# KiCad board architeuthis_dux_right.kicad_pcb (continued)
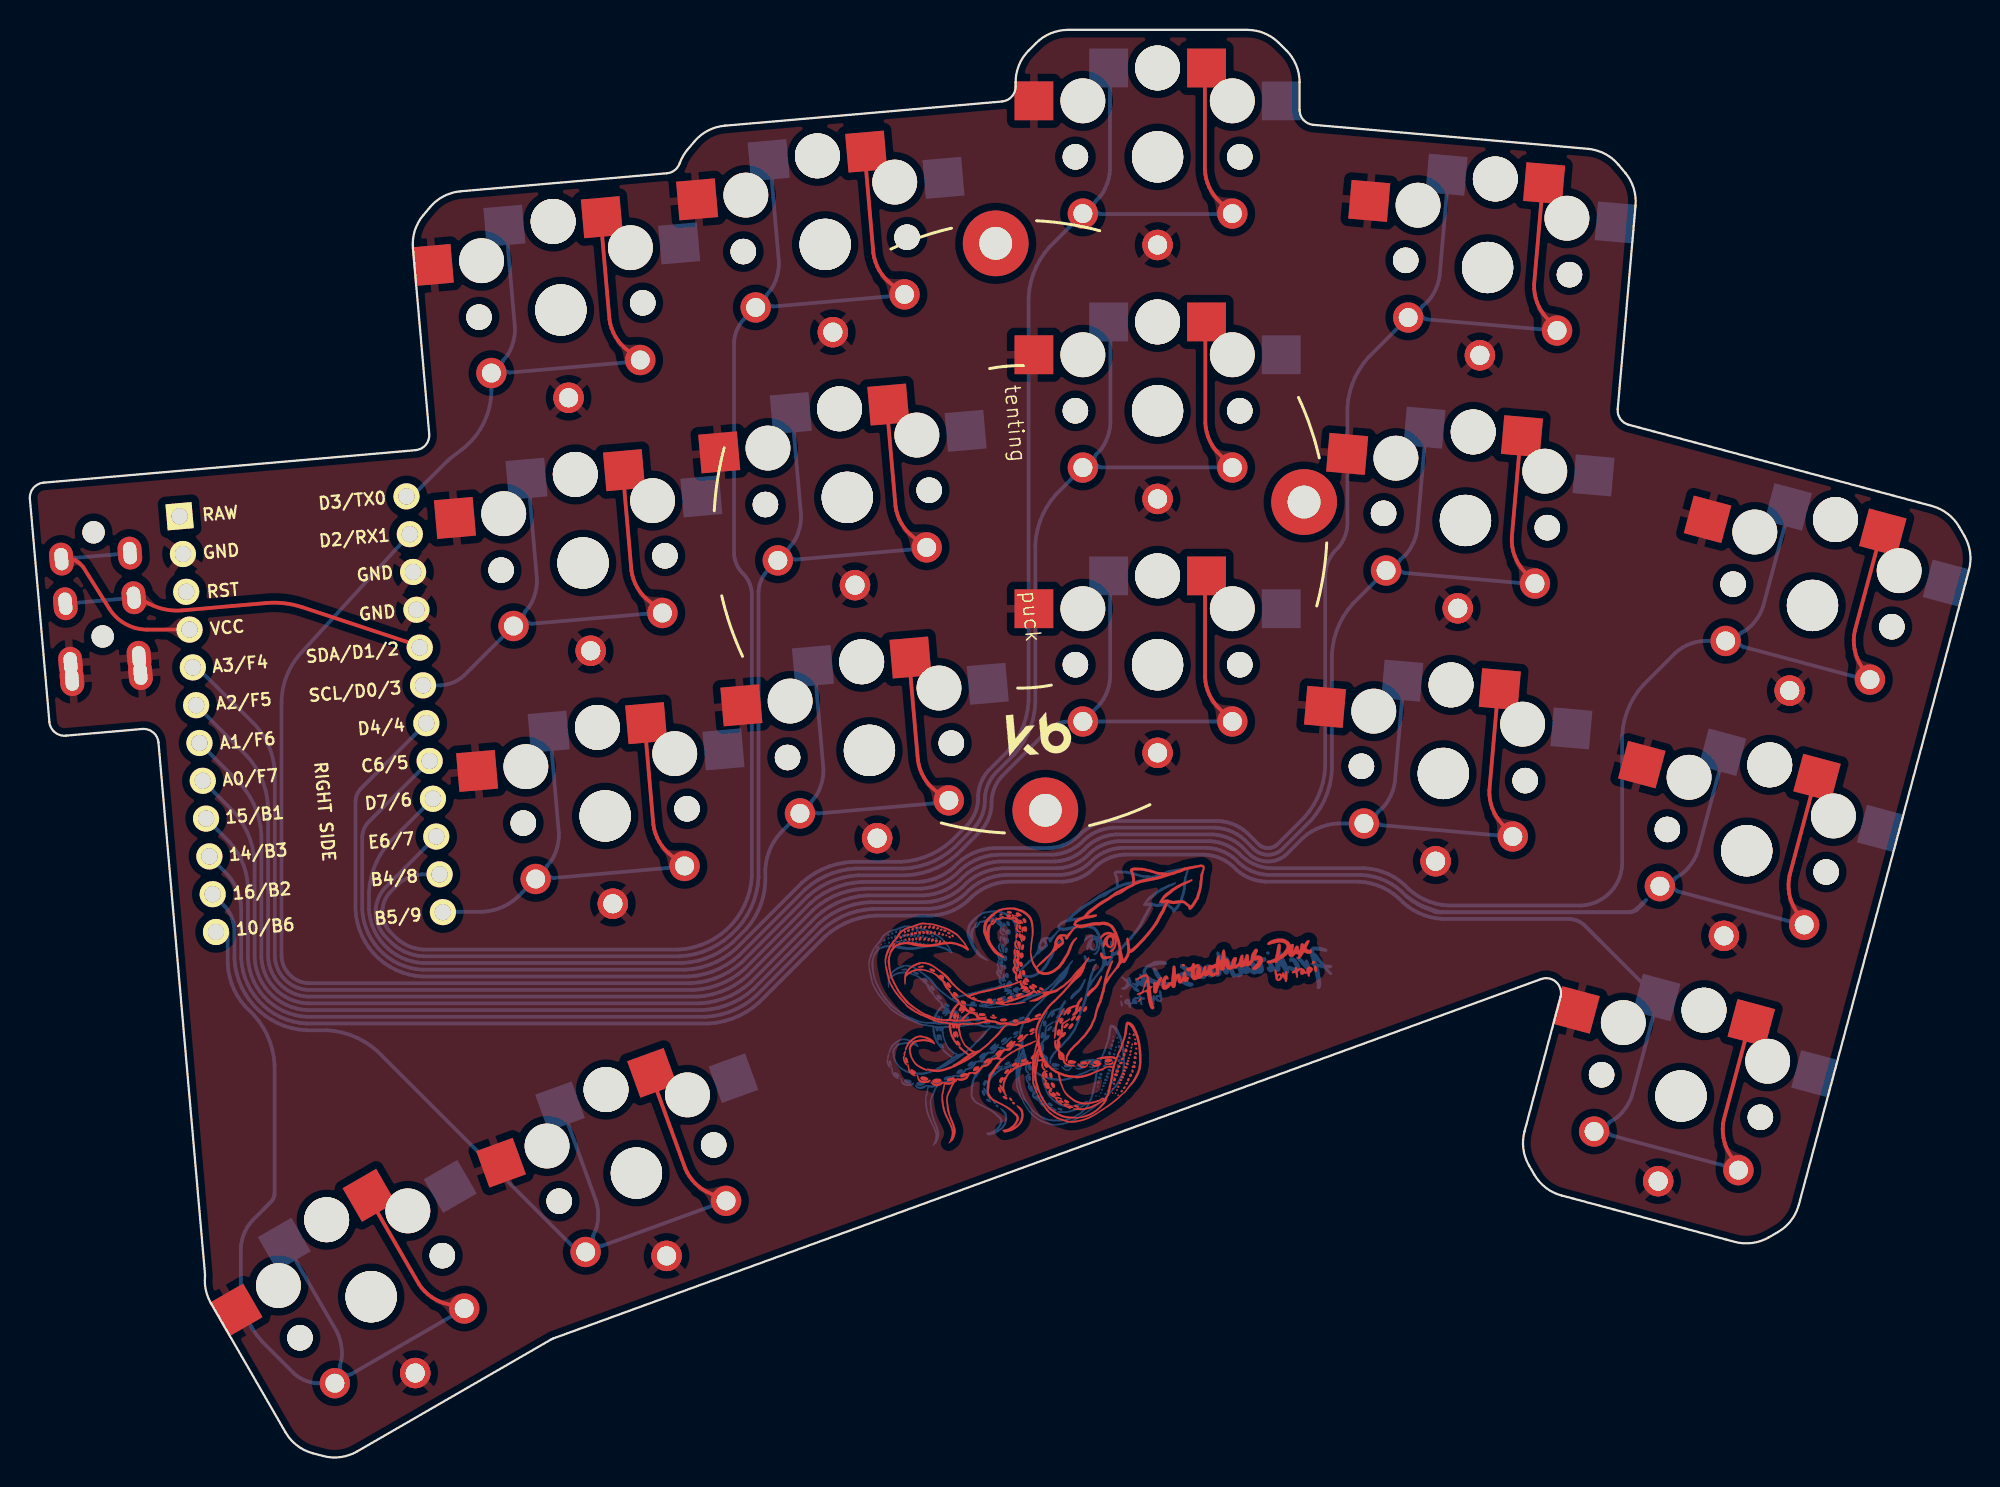
[diagram p0: board, top side]
## Copper pours and planes (outline as drawn; the poured copper is in the pictures) (continued)
P10 on Bottom: 35.24,40.14 35.09,39.95 35,39.78 34.94,39.62 34.91,39.47 34.9,39.32 34.9,39.17 34.9,39.01 34.89,38.84 34.87,38.65 34.83,38.44 33.51,38.32 33.45,39.64 33.65,39.71 33.83,39.76 34,39.79 34.15,39.81 34.3,39.83 34.44,39.87 34.59,39.92 34.73,40.01 34.88,40.13 35.04,40.3
P10 on Bottom: 35.87,38.72 35.63,38.69 35.43,38.63 35.28,38.56 35.14,38.48 35.03,38.38 34.92,38.27 34.8,38.16 34.68,38.05 34.52,37.93 34.34,37.81 33.34,38.68 34.24,39.64 34.43,39.55 34.6,39.45 34.74,39.35 34.86,39.25 34.98,39.16 35.11,39.09 35.25,39.02 35.41,38.98 35.61,38.96 35.85,38.97
P10 on Bottom: 41.77,39.49 42.01,39.52 42.2,39.57 42.35,39.64 42.48,39.73 42.6,39.83 42.7,39.94 42.81,40.05 42.94,40.18 43.08,40.3 43.26,40.43 44.31,39.64 43.48,38.61 43.27,38.7 43.1,38.78 42.95,38.88 42.82,38.97 42.69,39.05 42.56,39.13 42.41,39.19 42.24,39.23 42.04,39.25 41.79,39.24
P14 on Top: 58.53,62.25 58.72,62.11 58.89,62.02 59.05,61.96 59.2,61.93 59.34,61.92 59.49,61.93 59.65,61.94 59.82,61.94 60.01,61.93 60.22,61.9 60.41,60.59 59.1,60.45 59.02,60.65 58.96,60.83 58.92,61 58.89,61.15 58.86,61.3 58.82,61.45 58.76,61.59 58.67,61.74 58.55,61.89 58.37,62.06
P14 on Bottom: 25.87,40.4 26.01,40.55 26.11,40.69 26.17,40.82 26.21,40.95 26.24,41.08 26.25,41.21 26.26,41.34 26.28,41.49 26.31,41.65 26.37,41.83 27.5,41.85 27.48,40.72 27.3,40.66 27.14,40.63 26.99,40.61 26.86,40.6 26.73,40.59 26.6,40.56 26.47,40.52 26.34,40.46 26.2,40.36 26.05,40.22
P14 on Bottom: 48.63,58.53 48.65,58.74 48.68,58.92 48.72,59.06 48.77,59.19 48.83,59.31 48.89,59.43 48.95,59.55 48.99,59.68 49.02,59.84 49.03,60.03 50.41,60.39 50.38,59.07 50.18,59.02 49.97,59 49.77,59 49.57,59.01 49.38,59.01 49.22,59 49.08,58.95 48.98,58.87 48.91,58.73 48.88,58.53
P14 on Bottom: 51.44,61.45 51.3,61.26 51.2,61.09 51.14,60.93 51.11,60.78 51.1,60.63 51.1,60.48 51.1,60.32 51.1,60.15 51.07,59.97 51.03,59.76 49.71,59.65 49.66,60.97 49.86,61.04 50.04,61.08 50.21,61.11 50.36,61.13 50.51,61.15 50.65,61.19 50.79,61.24 50.94,61.32 51.09,61.44 51.25,61.61
P14 on Bottom: 52.07,60.03 51.83,60 51.64,59.95 51.48,59.87 51.34,59.79 51.23,59.69 51.12,59.59 51,59.48 50.87,59.36 50.72,59.25 50.53,59.13 49.54,60.01 50.46,60.96 50.65,60.87 50.81,60.77 50.95,60.66 51.07,60.57 51.19,60.48 51.32,60.4 51.46,60.34 51.62,60.29 51.81,60.27 52.05,60.28
P14 on Bottom: 57.97,60.8 58.21,60.83 58.4,60.89 58.56,60.96 58.69,61.04 58.8,61.14 58.9,61.25 59.01,61.37 59.13,61.49 59.28,61.62 59.45,61.75 60.51,60.97 59.69,59.94 59.49,60.02 59.31,60.1 59.16,60.19 59.03,60.28 58.9,60.37 58.76,60.44 58.62,60.5 58.45,60.54 58.24,60.56 58,60.55
P15 on Top: 60.03,45.26 60.21,45.12 60.37,45.03 60.52,44.98 60.67,44.96 60.81,44.96 60.96,44.97 61.11,44.98 61.27,44.99 61.46,44.99 61.66,44.97 61.91,43.67 60.6,43.47 60.51,43.67 60.45,43.85 60.41,44.01 60.35,44.31 60.31,44.46 60.25,44.6 60.17,44.75 60.04,44.9 59.87,45.06
P15 on Bottom: 50.01,41.75 50.17,41.93 50.28,42.09 50.36,42.25 50.4,42.4 50.43,42.55 50.44,42.7 50.46,42.86 50.47,43.03 50.51,43.22 50.57,43.43 51.89,43.45 51.86,42.13 51.65,42.07 51.47,42.04 51.29,42.02 51.13,42.01 50.98,41.99 50.83,41.97 50.69,41.92 50.53,41.85 50.37,41.73 50.19,41.57
P15 on Bottom: 25.65,42.93 25.79,43.08 25.89,43.22 25.95,43.35 25.99,43.48 26.02,43.61 26.03,43.74 26.04,43.87 26.06,44.02 26.09,44.18 26.14,44.36 27.28,44.38 27.26,43.25 27.08,43.19 26.92,43.16 26.77,43.14 26.64,43.13 26.51,43.12 26.38,43.09 26.25,43.05 26.12,42.99 25.98,42.89 25.83,42.75
P15 on Bottom: 52.94,44.46 52.79,44.27 52.7,44.1 52.64,43.94 52.61,43.79 52.6,43.64 52.59,43.33 52.58,43.16 52.55,42.98 52.49,42.77 51.17,42.73 51.19,44.05 51.39,44.11 51.57,44.14 51.73,44.16 51.88,44.17 52.03,44.19 52.17,44.22 52.31,44.26 52.45,44.34 52.59,44.46 52.75,44.62
P15 on Bottom: 53.57,43.04 53.32,43 53.12,42.95 52.96,42.88 52.82,42.8 52.7,42.7 52.46,42.49 52.32,42.38 52.16,42.28 51.96,42.17 51.02,43.1 51.99,44 52.18,43.89 52.33,43.79 52.46,43.68 52.59,43.58 52.7,43.49 52.83,43.41 52.96,43.34 53.12,43.3 53.31,43.28 53.55,43.29
P15 on Bottom: 59.47,43.81 59.7,43.84 59.89,43.89 60.04,43.96 60.16,44.05 60.27,44.15 60.37,44.26 60.47,44.38 60.59,44.51 60.72,44.64 60.88,44.78 61.99,44.06 61.23,42.98 61.02,43.05 60.84,43.13 60.68,43.21 60.41,43.38 60.27,43.45 60.12,43.51 59.95,43.55 59.74,43.57 59.49,43.56
P16 on Top: 57.05,79.2 57.24,79.05 57.41,78.96 57.57,78.9 57.72,78.87 57.86,78.86 58.01,78.87 58.17,78.87 58.34,78.88 58.53,78.86 58.74,78.83 58.93,77.52 57.62,77.39 57.53,77.59 57.47,77.77 57.44,77.94 57.41,78.1 57.38,78.25 57.34,78.39 57.28,78.54 57.19,78.69 57.07,78.84 56.89,79
P16 on Bottom: 25.67,39.14 25.88,39.15 26.04,39.18 26.18,39.23 26.3,39.29 26.41,39.36 26.51,39.44 26.62,39.53 26.73,39.62 26.87,39.71 27.03,39.8 27.85,39.01 27.03,38.22 26.87,38.31 26.73,38.41 26.62,38.5 26.51,38.58 26.41,38.67 26.3,38.74 26.18,38.8 26.04,38.85 25.88,38.88 25.67,38.89
P16 on Bottom: 47.05,75.62 47.21,75.8 47.32,75.96 47.4,76.12 47.44,76.27 47.47,76.42 47.48,76.57 47.49,76.73 47.51,76.9 47.55,77.09 47.61,77.3 48.93,77.32 48.9,76.01 48.69,75.94 48.5,75.91 48.33,75.89 48.17,75.88 48.02,75.86 47.87,75.84 47.72,75.79 47.57,75.72 47.4,75.6 47.22,75.44
P16 on Bottom: 49.96,78.4 49.81,78.21 49.72,78.04 49.66,77.88 49.63,77.73 49.62,77.58 49.62,77.43 49.62,77.27 49.61,77.1 49.59,76.91 49.55,76.7 48.23,76.58 48.17,77.9 48.37,77.97 48.55,78.02 48.72,78.05 48.88,78.07 49.02,78.09 49.17,78.13 49.31,78.18 49.45,78.26 49.61,78.39 49.77,78.56
P16 on Bottom: 50.59,76.98 50.35,76.94 50.16,76.89 50,76.82 49.87,76.74 49.75,76.64 49.64,76.53 49.52,76.42 49.4,76.31 49.24,76.19 49.06,76.07 48.06,76.94 48.96,77.9 49.16,77.81 49.32,77.71 49.46,77.61 49.59,77.51 49.71,77.42 49.83,77.34 49.97,77.28 50.14,77.24 50.33,77.22 50.57,77.23
P16 on Bottom: 56.49,77.75 56.73,77.78 56.92,77.83 57.08,77.9 57.21,77.99 57.32,78.09 57.42,78.2 57.53,78.31 57.66,78.44 57.8,78.56 57.98,78.69 59.03,77.9 58.2,76.87 58,76.96 57.82,77.04 57.68,77.14 57.54,77.23 57.41,77.31 57.28,77.39 57.13,77.45 56.96,77.49 56.76,77.51 56.51,77.5
P18 on Top: 79.11,84.74 79.28,84.58 79.45,84.47 79.6,84.4 79.75,84.36 79.89,84.33 80.04,84.32 80.2,84.31 80.37,84.3 80.56,84.27 80.77,84.22 80.83,82.9 79.51,82.89 79.45,83.09 79.41,83.28 79.38,83.45 79.37,83.61 79.35,83.76 79.33,83.91 79.28,84.06 79.21,84.22 79.09,84.38 78.93,84.56
P18 on Bottom: 68.94,81.9 69.1,82.08 69.22,82.25 69.29,82.4 69.34,82.55 69.36,82.7 69.37,82.85 69.39,83.01 69.41,83.18 69.44,83.37 69.5,83.58 70.82,83.61 70.8,82.29 70.59,82.23 70.4,82.19 70.23,82.17 70.07,82.16 69.91,82.14 69.77,82.12 69.62,82.07 69.46,82 69.3,81.89 69.12,81.73
P18 on Bottom: 25.43,45.46 25.57,45.61 25.66,45.75 25.73,45.88 25.77,46.01 25.79,46.14 25.81,46.27 25.82,46.4 25.84,46.55 25.87,46.71 25.92,46.89 27.06,46.91 27.04,45.78 26.86,45.72 26.7,45.69 26.55,45.67 26.41,45.66 26.29,45.65 26.16,45.62 26.03,45.58 25.9,45.52 25.76,45.42 25.6,45.28
P18 on Bottom: 71.97,84.56 71.81,84.38 71.7,84.22 71.63,84.07 71.59,83.92 71.56,83.77 71.55,83.62 71.54,83.46 71.52,83.29 71.48,83.11 71.42,82.9 70.1,82.89 70.14,84.21 70.35,84.27 70.54,84.3 70.71,84.32 70.86,84.32 71.01,84.34 71.16,84.36 71.31,84.4 71.46,84.47 71.62,84.58 71.8,84.74
P18 on Bottom: 72.48,83.09 72.24,83.08 72.04,83.04 71.88,82.99 71.74,82.91 71.61,82.83 71.5,82.73 71.37,82.63 71.23,82.52 71.07,82.42 70.88,82.32 69.95,83.26 70.93,84.15 71.12,84.04 71.27,83.93 71.4,83.82 71.52,83.71 71.64,83.61 71.76,83.52 71.89,83.45 72.05,83.39 72.24,83.35 72.48,83.34
P18 on Bottom: 78.43,83.34 78.67,83.35 78.86,83.39 79.02,83.45 79.16,83.52 79.28,83.61 79.4,83.71 79.52,83.81 79.65,83.93 79.8,84.04 79.99,84.15 80.97,83.26 80.05,82.32 79.85,82.42 79.69,82.53 79.55,82.63 79.42,82.73 79.3,82.83 79.18,82.91 79.04,82.99 78.87,83.04 78.67,83.08 78.43,83.09
P19 on Top: 79.14,67.78 79.32,67.62 79.48,67.5 79.64,67.43 79.79,67.38 79.94,67.36 80.09,67.34 80.25,67.33 80.42,67.3 80.61,67.27 80.82,67.2 80.81,65.88 79.5,65.93 79.44,66.14 79.41,66.33 79.39,66.5 79.38,66.66 79.37,66.81 79.35,66.96 79.3,67.11 79.23,67.26 79.12,67.42 78.96,67.6
P19 on Bottom: 68.94,64.9 69.1,65.08 69.22,65.25 69.29,65.4 69.34,65.55 69.36,65.7 69.37,65.85 69.39,66.01 69.41,66.18 69.44,66.37 69.5,66.58 70.82,66.61 70.8,65.29 70.59,65.23 70.4,65.19 70.23,65.17 70.07,65.16 69.91,65.14 69.77,65.12 69.62,65.07 69.46,65 69.3,64.89 69.12,64.73
P19 on Bottom: 25.21,47.99 25.34,48.14 25.44,48.28 25.51,48.42 25.55,48.54 25.57,48.67 25.59,48.8 25.6,48.93 25.62,49.08 25.65,49.24 25.7,49.42 26.84,49.44 26.82,48.31 26.64,48.25 26.48,48.22 26.33,48.2 26.19,48.19 26.06,48.18 25.94,48.15 25.81,48.11 25.68,48.05 25.54,47.95 25.38,47.81
P19 on Bottom: 72,67.59 71.83,67.41 71.72,67.25 71.64,67.09 71.6,66.94 71.57,66.79 71.56,66.64 71.54,66.48 71.52,66.31 71.48,66.12 71.42,65.91 70.1,65.89 70.14,67.21 70.35,67.27 70.54,67.3 70.71,67.32 70.87,67.34 71.02,67.35 71.17,67.37 71.32,67.42 71.48,67.5 71.64,67.61 71.82,67.77
P19 on Bottom: 72.5,66.13 72.26,66.12 72.06,66.08 71.9,66.03 71.76,65.95 71.64,65.87 71.52,65.77 71.4,65.66 71.26,65.55 71.11,65.44 70.91,65.34 69.95,66.24 70.9,67.17 71.09,67.06 71.25,66.95 71.39,66.85 71.51,66.74 71.63,66.65 71.76,66.56 71.89,66.49 72.06,66.43 72.26,66.39 72.5,66.38
P19 on Bottom: 78.46,66.38 78.7,66.39 78.89,66.43 79.05,66.49 79.19,66.56 79.31,66.65 79.42,66.75 79.54,66.85 79.68,66.96 79.84,67.06 80.03,67.17 80.97,66.24 80.01,65.34 79.82,65.44 79.67,65.55 79.53,65.66 79.42,65.77 79.3,65.86 79.18,65.95 79.05,66.03 78.89,66.08 78.69,66.12 78.46,66.13
P20 on Top: 40.87,57.94 41.07,57.79 41.25,57.69 41.41,57.63 41.56,57.6 41.72,57.58 41.87,57.58 42.03,57.57 42.2,57.56 42.4,57.54 42.61,57.48 42.7,56.17 41.39,56.13 41.31,56.33 41.27,56.52 41.24,56.69 41.22,56.85 41.19,57 41.16,57.14 41.1,57.29 41.01,57.43 40.89,57.59 40.71,57.75
P20 on Bottom: 30.84,54.29 31,54.47 31.12,54.64 31.19,54.79 31.24,54.94 31.26,55.09 31.28,55.24 31.29,55.4 31.31,55.57 31.34,55.76 31.41,55.97 32.72,56 32.7,54.68 32.49,54.62 32.3,54.58 32.13,54.56 31.97,54.55 31.82,54.54 31.67,54.51 31.52,54.47 31.36,54.39 31.2,54.28 31.02,54.12
P20 on Bottom: 28.05,51.54 27.85,51.53 27.68,51.5 27.54,51.45 27.42,51.39 27.31,51.32 27.21,51.24 27.11,51.15 26.99,51.06 26.85,50.97 26.69,50.88 25.87,51.67 26.69,52.45 26.85,52.36 26.99,52.27 27.11,52.18 27.21,52.09 27.31,52.01 27.42,51.94 27.54,51.88 27.68,51.83 27.85,51.8 28.05,51.79
P20 on Bottom: 33.75,57.13 33.6,56.94 33.51,56.77 33.45,56.61 33.41,56.46 33.4,56.31 33.41,56.15 33.41,55.99 33.41,55.82 33.39,55.63 33.36,55.42 32.05,55.24 31.93,56.55 32.13,56.64 32.31,56.7 32.48,56.74 32.64,56.77 32.79,56.8 32.94,56.84 33.09,56.9 33.23,56.99 33.39,57.12 33.56,57.29
P20 on Bottom: 34.4,55.74 34.16,55.7 33.97,55.65 33.82,55.58 33.69,55.49 33.58,55.39 33.47,55.29 33.36,55.17 33.24,55.05 33.1,54.92 32.92,54.79 31.86,55.57 32.68,56.6 32.89,56.52 33.06,56.44 33.21,56.34 33.35,56.25 33.48,56.17 33.61,56.1 33.76,56.04 33.93,56 34.13,55.98 34.38,55.99
P20 on Bottom: 40.3,56.5 40.54,56.54 40.74,56.59 40.9,56.66 41.03,56.75 41.15,56.84 41.26,56.95 41.37,57.06 41.5,57.17 41.66,57.29 41.85,57.4 42.83,56.53 41.92,55.58 41.73,55.67 41.57,55.77 41.43,55.87 41.3,55.97 41.18,56.06 41.06,56.14 40.92,56.2 40.75,56.24 40.56,56.26 40.32,56.25
P21 on Top: 39.39,74.77 39.57,74.63 39.74,74.54 39.89,74.49 40.04,74.46 40.18,74.46 40.33,74.46 40.49,74.47 40.65,74.48 40.84,74.47 41.05,74.44 41.25,73.14 39.94,72.98 39.85,73.18 39.8,73.36 39.76,73.53 39.73,73.68 39.7,73.83 39.67,73.97 39.61,74.12 39.52,74.26 39.4,74.42 39.23,74.58
P21 on Bottom: 26.74,65.31 26.6,65.16 26.5,65.02 26.44,64.89 26.4,64.76 26.37,64.63 26.36,64.5 26.35,64.37 26.33,64.22 26.3,64.06 26.24,63.88 25.11,63.86 25.13,65 25.31,65.05 25.47,65.08 25.62,65.1 25.75,65.11 25.88,65.12 26.01,65.15 26.14,65.19 26.27,65.25 26.41,65.35 26.56,65.49
P21 on Bottom: 30.76,70.55 30.75,70.79 30.71,70.98 30.65,71.15 30.58,71.28 30.49,71.41 30.39,71.52 30.29,71.64 30.18,71.78 30.07,71.94 29.97,72.13 30.88,73.08 31.8,72.13 31.69,71.94 31.58,71.78 31.48,71.64 31.37,71.52 31.27,71.41 31.19,71.28 31.11,71.15 31.06,70.98 31.02,70.79 31.01,70.55
P21 on Bottom: 32.3,73.97 32.15,73.78 32.05,73.61 31.99,73.45 31.96,73.29 31.95,73.14 31.95,72.99 31.94,72.83 31.93,72.66 31.91,72.48 31.85,72.27 30.53,72.2 30.52,73.52 30.72,73.59 30.91,73.63 31.07,73.65 31.23,73.67 31.37,73.68 31.52,73.71 31.66,73.77 31.8,73.85 31.95,73.96 32.1,74.13
P21 on Bottom: 32.93,72.55 32.68,72.52 32.48,72.46 32.32,72.39 32.18,72.31 32.06,72.21 31.95,72.11 31.83,72 31.69,71.89 31.53,71.78 31.34,71.67 30.38,72.57 31.31,73.49 31.5,73.39 31.66,73.29 31.8,73.19 31.93,73.09 32.05,73 32.17,72.92 32.31,72.86 32.47,72.81 32.67,72.79 32.91,72.8
P21 on Bottom: 38.83,73.32 39.06,73.35 39.25,73.41 39.4,73.48 39.52,73.56 39.63,73.66 39.74,73.77 39.84,73.89 39.96,74.02 40.09,74.15 40.26,74.28 41.35,73.53 40.56,72.47 40.35,72.55 40.17,72.63 40.02,72.72 39.88,72.8 39.75,72.89 39.62,72.96 39.47,73.02 39.3,73.06 39.1,73.08 38.85,73.07

## Text on the board
F.Silkscreen: RIGHT SIDE
